# Altium PCB PCB2.PcbDoc (continued)
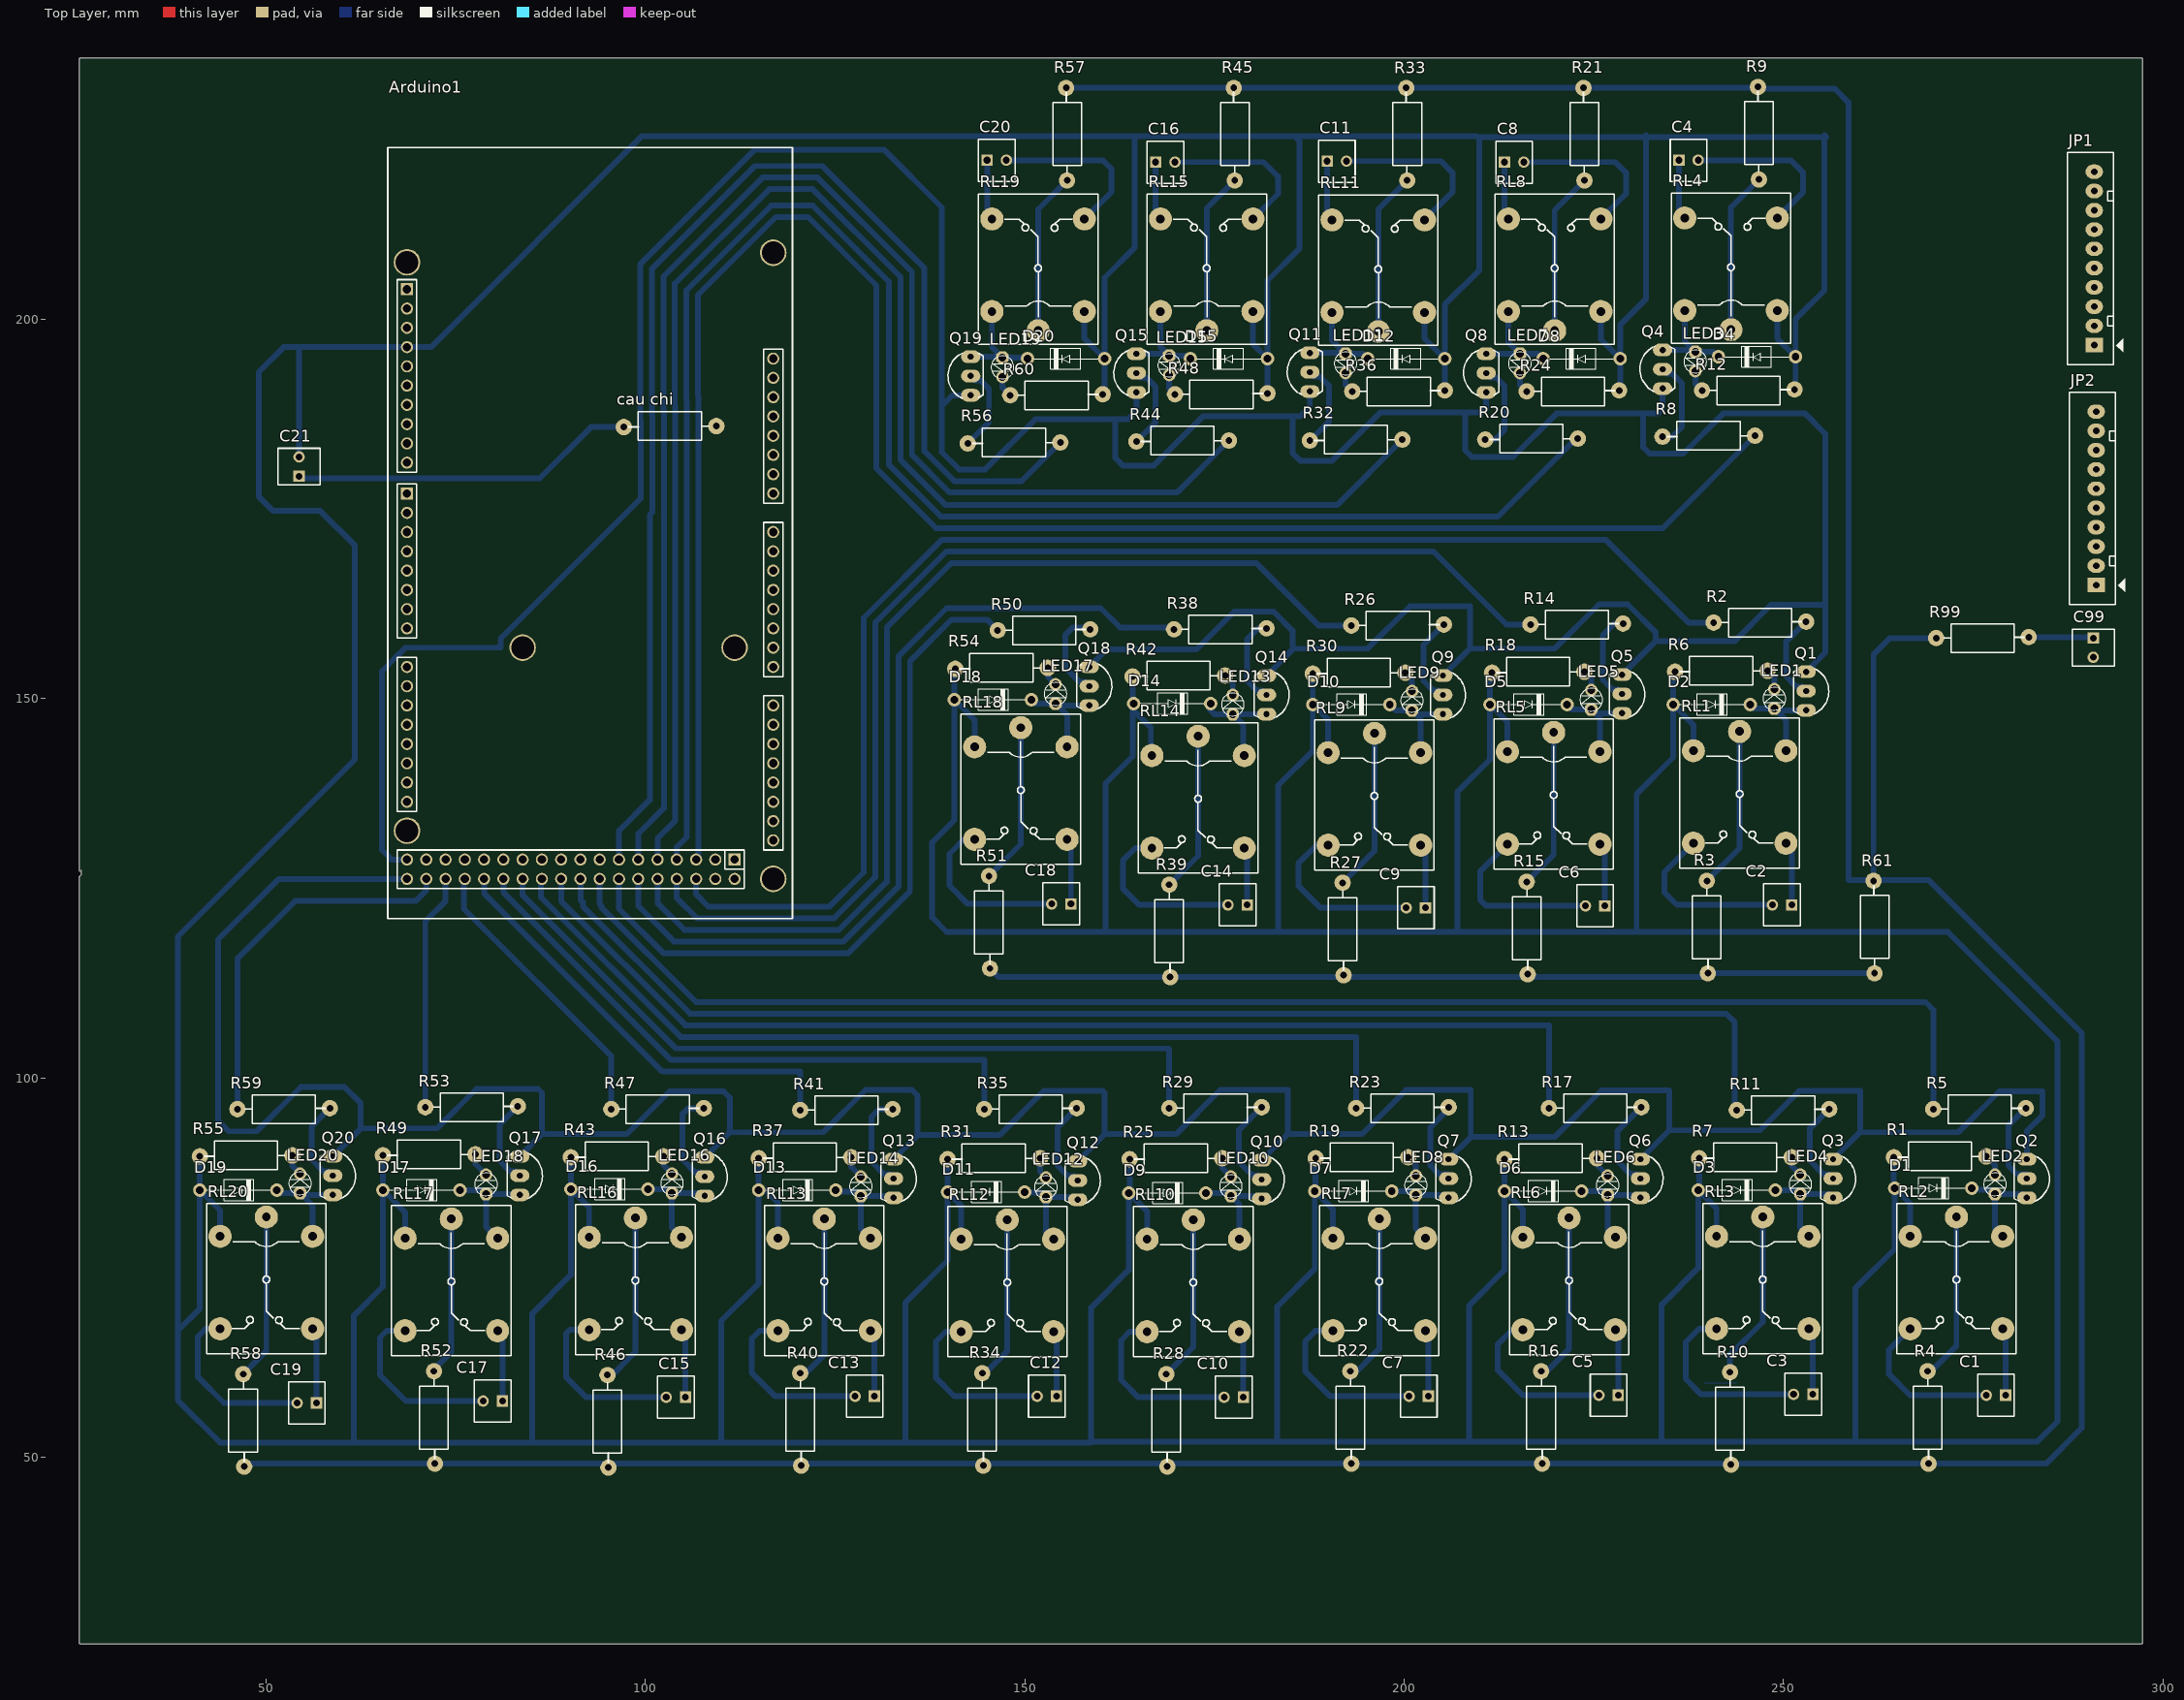
[diagram p0: Top Layer view]
## Footprints (in the part's own frame and the unit in brackets; to place one, negate y for a bottom-side part, rotate by r counter-clockwise, add the part's x,y. Pads: shape width x height; smd on the part's side, far side on the other; paste and mask are expansions set on the pad)
"Arduino MEGA2560" [mm]
  round 1.6 hole 1.1: 0-RX(-13.97,24.765) 1-TX(-11.43,24.765) 2(-8.89,24.765) 3V3(13.97,-23.495) 4(-3.81,24.765) 5V(-46.99,24.765) 5V(-44.45,24.765) 5V(11.43,-23.495) 8(7.874,24.765) 12(18.034,24.765) 13(20.574,24.765) 14(-19.05,24.765) 15(-21.59,24.765) 16(-24.13,24.765) 17(-26.67,24.765) 18(-29.21,24.765) 19(-31.75,24.765) 20(-34.29,24.765) 21(-36.83,24.765) 22(-44.45,22.225) 23(-46.99,22.225) 24(-44.45,19.685) 25(-46.99,19.685) 26(-44.45,17.145) 27(-46.99,17.145) 28(-44.45,14.605) 29(-46.99,14.605) 30(-44.45,12.065) 31(-46.99,12.065) 32(-44.45,9.525) 33(-46.99,9.525) 34(-44.45,6.985) 35(-46.99,6.985) 36(-44.45,4.445) 37(-46.99,4.445) 38(-44.45,1.905) 39(-46.99,1.905) 40(-44.45,-0.635) 41(-46.99,-0.635) 42(-44.45,-3.175) 43(-46.99,-3.175) 44(-44.45,-5.715) 45(-46.99,-5.715) 46(-44.45,-8.255) 47(-46.99,-8.255) 48(-44.45,-10.795) 49(-46.99,-10.795) 50(-44.45,-13.335) 51(-46.99,-13.335) 52(-44.45,-15.875) 53(-46.99,-15.875) A0(-1.27,-23.495) A1(-3.81,-23.495) A2(-6.35,-23.495) A3(-8.89,-23.495) A4(-11.43,-23.495) A5(-13.97,-23.495) A6(-16.51,-23.495) A7(-19.05,-23.495) A8(-24.13,-23.495) A9(-26.67,-23.495) A10(-29.21,-23.495) A11(-31.75,-23.495) A12(-34.29,-23.495) A13(-36.83,-23.495) A14(-39.37,-23.495) A15(-41.91,-23.495) AREF(25.654,24.765) GND(-46.99,-18.415) GND(6.35,-23.495) GND(8.89,-23.495) GND(23.114,24.765) IOREF(19.05,-23.495) RESET(16.51,-23.495) SDA(28.194,24.765) Vin(3.81,-23.495) ~3(-6.35,24.765) ~5(-1.27,24.765) ~6(1.27,24.765) ~9(10.414,24.765) ~10(12.954,24.765) ~11(15.494,24.765) ""(21.59,-23.495)
  rect 1.6x1.6 hole 1.1: 7(3.81,24.765) GND(-44.45,-18.415) SCL(30.734,24.765)
  round 3.5 hole 3: GND(-46.99,-23.495) GND(-40.64,24.765) GND(-16.51,-18.415) GND(-16.51,9.525) GND(34.29,24.765) GND(35.56,-23.495)
  round 0 all layers, no hole: ""(-46.99,-23.495) ""(-40.64,24.765) ""(-16.51,-18.415) ""(-16.51,9.525) ""(34.29,24.765) ""(35.56,-23.495)
  silkscreen extent -52.2,-26.04 49.4,27.31, body extent -52.07,-26.03 55.88,27.31, height 15.2
DIO-1A [mil]
  round 70 hole 40: 1(0,0) 2(400,0)
  silkscreen extent 35,-55 365,55, body extent -11,-50 411,54, height 102
HDR2 [mm] "Connector; Header; 2 Position"
  rect 1.5x1.5 hole 0.9: 1(0,0)
  round 1.5 hole 0.9: 2(2.54,0)
  silkscreen extent -1.14,-2.79 3.68,2.77, body extent -1.27,-2.92 3.81,2.88, height 11.72
Header10 [mil] "CON10"
  rect 75x90 hole 34: 1(0,0)
  oval 75x90 hole 34: 2(100,0) 3(200,0) 4(300,0) 5(400,0) 6(500,0) 7(600,0) 8(700,0) 9(800,0) 10(900,0)
  silkscreen extent -100,-150 1000,140
LED-3MM-YELLOW [mil]
  oct 65x65 hole 40: 1(0,0)
  round 65 hole 40: 2(100,0)
  silkscreen extent -9,-59 109,59, body extent -27,-77 117,80, height 181
"RELAY 5" [mil] "Reley DPDT, 8 pin, 1A, W400mil, L800mil,H 300mil"
  round 120 hole 45: 1(-325,0) 2(255,240) 3(255,-240) 4(-225,-240) 5(-225,240)
  silkscreen extent -395,-310 385,310, body extent -371,-304 381,306, height 602
RES-1/2W [mil]
  round 85 hole 35: 1(-220,-5) 2(260,0)
  silkscreen extent -195,-74 221,75, body extent -230,-60 270,56, height 121
TO92-123 [mil] "TO-92"
  oval 66x100 hole 32: 1(-100,0) 2(0,0) 3(100,0)
  silkscreen extent -117,-65 120,118, body extent -109,-66 109,95, height 245

## Part data
Arduino1: "Arduino MEGA2560", ="Cau 5A"
C1 C2 C3 C4 C5 C6 C7 C8 C9 C10 C11 C12 C13 C14 C15 C16 C17 C18 C19 C20 C21 C99: "Header IDC, 2 x 1 Pin Vertical 2.54mm Pitch (Non-Boxed, Male)", Manufacturer="Würth Elektronik eiSos GmbH", partNo=613002143121, ComponentLink1 Description=Manufacturer, ComponentLink1URL=http://www.we-online.com, ComponentLink2 Description=Datasheet, ComponentLink2URL=http://katalog.we-online.de/em/datasheet/6130xx143121.pdf, Created by="Karrer Zheng", Created Date="29 March 2013", NoPins=02
"cau chi" R1 R2 R5 R6 R7 R8 R11 R12 R13 R14 R17 R18 R19 R20 R23 R24 R25 R26 R29 R30 R31 R32 R35 R36 R37 R38 R41 R42 R43 R44 R47 R48 R49 R50 R53 R54 R55 R56 R59 R60 R61 R99: Manufacturer="Generic Components", Class=Passive, Published=08/06/2000, Publisher="Altium Hobart Technology Centre", SubClass=R
D1 D2 D3 D4 D5 D6 D7 D8 D9 D10 D11 D12 D13 D14 D15 D16 D17 D18 D19 D20: "Default Diode", Code - JEDEC=DO-214-AB, Published=8-Jun-2000, Publisher="Altium Limited", Revision="July-2002: Re-released for DXP Platform."
JP1 JP2: library part Header10, "Connector 10"
LED1 LED2 LED3 LED4 LED5 LED6 LED7 LED8 LED9 LED10 LED11 LED12 LED13 LED14 LED15 LED16 LED17 LED18 LED19 LED20: "LED Single colour Green and Red"
Q1 Q2 Q3 Q4 Q5 Q6 Q7 Q8 Q9 Q10 Q11 Q12 Q13 Q14 Q15 Q16 Q17 Q18 Q19 Q20: "PNP 600mW, ECB", =A1013
R3 R4 R9 R10 R15 R16 R21 R22 R27 R28 R33 R34 R39 R40 R45 R46 R51 R52 R57 R58: library part Res, "Res", Manufacturer="Generic Components", Class=Passive, Published=08/06/2000, Publisher="Altium Hobart Technology Centre", SubClass=R
RL1 RL2 RL3 RL4 RL5 RL6 RL7 RL8 RL9 RL10 RL11 RL12 RL13 RL14 RL15 RL16 RL17 RL18 RL19 RL20: library part "Relay 5", "Relay SPDT,10A - 12VDC 5 Pin", ="Relay SPDT, 10A, 24V"

## Nets (pads, with @x,y where several pads share a name; then routed paths per layer and width w, separated by ;. In a path a pad name is that pad's centre, name@x,y a point inside that pad or via, vN(x,y) a via of type N, cw(c..) or ccw(c..) an arc to the next point about the centre after c; other vN are vias at no path point)
GND: Arduino1.GND C21.2 D1.1 D2.1 D3.1 D4.1 D5.1 D6.1 D7.1 D8.1 D9.1 D10.1 D11.1 D12.1 D13.1 D14.1 D15.1 D16.1 D17.1 D18.1 D19.1 D20.1 R1.1 R6.1 R7.1 R12.1 R13.1 R18.1 R19.1 R24.1 R25.1 R30.1 R31.1 R36.1 R37.1 R42.1 R43.1 R48.1 R49.1 R54.1 R55.1 R60.1 RL1.4 RL2.4 RL3.4 RL4.4 RL5.4 RL6.4 RL7.4 RL8.4 RL9.4 RL10.4 RL11.4 RL12.4 RL13.4 RL14.4 RL15.4 RL16.4 RL17.4 RL18.4 RL19.4 RL20.4 | length 1724.2
  Bottom Layer w0.762: R55.1 D19.1 ; RL20.4 43.942,82.55 D19.1 ; C21.2 54.356,196.215 54.483,196.342 ; R49.1 D17.1 ; RL17.4 68.326,82.296 D17.1 ; R43.1 D16.1 ; RL16.4 92.583,82.931 D16.1 ; R37.1 D13.1 ; Arduino1.GND@116.84,182.118 Arduino1.GND@117.094,182.372 ; RL13.4 117.475,83.566 115.824,85.217 D13.1 ; R31.1 D11.1 ; R54.1@140.843,154.178 140.716,154.051 D18.1 ; RL12.4 141.605,83.185 D11.1 ; RL18.4 143.383,147.193 D18.1 ; RL19.4 157.861,197.485 D20.1 ; R60.1 160.528,190.373 D20.1 ; R25.1 163.83,84.963 D9.1 ; R42.1 D14.1@164.211,148.59 ; RL10.4 166.116,82.423 D9.1 ; RL14.4@166.624,142.494 166.624,146.177 D14.1@164.211,148.59 ; RL15.4 180.086,196.723 D15.1 ; R48.1 D15.1 ; 185.864,223.837 186.182,223.52 186.182,209.296 181.991,205.105 D15.1 ; R30.1 D10.1 ; R19.1 188.341,85.217 D7.1 ; RL9.4 189.992,147.193 D10.1 ; RL7.4 190.627,82.677 D7.1 ; RL11.4 202.692,197.485 D12.1 ; R36.1 D12.1 ; R18.1 211.328,153.162 D5.1 ; R13.1 D6.1 ; RL5.4 213.614,146.939 D5.1 ; RL6.4 215.646,82.677 D6.1 ; RL8.4 225.933,197.358 D8.1 ; R24.1 228.473,190.754 D8.1 ; 231.902,224.282 231.902,224.028 ; R6.1 235.458,153.289 D2.1 ; RL1.4 238.125,146.558 D2.1 ; R7.1 238.887,85.344 D3.1 ; RL3.4 241.173,82.804 D3.1 ; RL4.4 249.174,197.485 D4.1 ; R12.1 251.587,190.881 D4.1 ; R1.1 264.541,85.598 D1.1 ; RL2.4 266.7,83.439 D1.1 ; 38.354,66.675 41.275,69.596 D19.1 ; 38.354,66.675 38.354,118.618 61.722,141.986 61.722,170.18 57.15,174.752 50.927,174.752 49.022,176.657 49.022,193.04 52.324,196.342 54.483,196.342 ; 38.354,66.675 38.354,57.531 43.942,51.943 61.595,51.943 ; 54.483,196.342 68.58,196.342 71.755,196.342 99.568,224.155 164.465,224.155 ; 61.595,51.943 61.595,68.707 65.405,72.517 D17.1 ; 61.595,51.943 85.09,51.943 ; 85.09,51.943 85.09,68.961 90.17,74.041 D16.1 ; 85.09,51.943 109.982,51.943 ; 109.982,51.943 134.239,51.943 ; 109.982,51.943 109.982,67.945 114.935,72.898 D13.1 ; 134.239,51.943 134.239,70.358 139.827,75.946 D11.1 ; 134.239,51.943 158.75,51.943 158.75,52.07 ; D18.1 140.716,133.985 137.795,131.064 137.795,121.158 139.7,119.253 160.655,119.253 ; 158.75,52.07 183.261,52.07 ; 158.75,52.07 158.75,69.723 163.703,74.676 D9.1 ; D20.1 160.528,205.486 164.465,209.423 164.465,224.155 ; 160.655,119.253 160.655,138.811 164.211,142.367 D14.1@164.211,148.59 ; 160.655,119.253 183.388,119.253 ; 164.465,224.155 209.55,224.155 209.931,223.774 ; 183.261,52.07 183.261,69.85 188.214,74.803 D7.1 ; 183.261,52.07 208.534,52.07 ; 183.388,119.253 183.388,138.557 187.96,143.129 D10.1 ; 183.388,119.253 207.01,119.253 ; D12.1 205.359,201.93 209.931,206.502 209.931,223.774 ; 207.01,119.253 207.01,137.668 211.328,141.986 D5.1 ; 207.01,119.253 230.632,119.253 ; 208.534,52.07 233.934,52.07 ; 208.534,52.07 208.534,69.977 213.233,74.676 D6.1 ; 209.931,223.774 209.931,224.028 231.902,224.028 ; D8.1 228.473,199.263 231.902,202.692 231.902,224.028 ; 230.632,119.253 230.632,137.414 235.458,142.24 D2.1 ; 230.632,119.253 271.653,119.253 286.131,104.775 286.131,54.737 283.464,52.07 259.461,52.07 ; 231.902,224.028 255.397,224.028 ; 233.934,52.07 233.934,70.104 238.76,74.93 D3.1 ; 233.934,52.07 259.461,52.07 ; D4.1 251.587,200.025 255.397,203.835 255.397,224.028 ; 255.397,224.028 255.651,224.028 255.397,224.282 255.397,224.028 ; 259.461,52.07 259.461,72.263 264.668,77.47 D1.1
NetArduino1_23: Arduino1.23 R59.2 | length 50
  Bottom Layer w0.762: R59.2 46.228,115.697 53.848,123.317 69.723,123.317 71.12,124.714 Arduino1.23
NetArduino1_25: Arduino1.25 R53.2 | length 31.2
  Bottom Layer w0.762: R53.2 70.993,120.65 73.66,123.317 Arduino1.25
NetArduino1_27: Arduino1.27 R47.2 | length 38.5
  Bottom Layer w0.762: Arduino1.27 76.073,126.111 76.073,122.301 95.504,102.87 R47.2
NetArduino1_29: Arduino1.29 R41.2 | length 58.4
  Bottom Layer w0.762: Arduino1.29 78.74,124.333 102.235,100.838 120.396,100.838 R41.2
NetArduino1_31: Arduino1.31 R35.2 | length 80.8
  Bottom Layer w0.762: Arduino1.31 81.28,124.475 103.393,102.362 144.653,102.362 R35.2
NetArduino1_33: Arduino1.33 R29.2 | length 103.5
  Bottom Layer w0.762: Arduino1.33 83.82,124.09 104.024,103.886 168.91,103.886 169.037,103.759 R29.2
NetArduino1_35: Arduino1.35 R23.2 | length 127.2
  Bottom Layer w0.762: Arduino1.35 86.576,126.238 86.233,125.895 86.233,123.832 104.655,105.41 193.675,105.41 R23.2
NetArduino1_37: Arduino1.37 R17.2 | length 150.8
  Bottom Layer w0.762: Arduino1.37 88.9,123.321 105.287,106.934 219.075,106.934 R17.2
NetArduino1_39: Arduino1.39 R11.2 | length 173.6
  Bottom Layer w0.762: Arduino1.39 91.44,123.444 91.761,123.123 91.761,122.615 105.918,108.458 242.443,108.458 243.586,107.315 243.586,96.012 R11.2
NetArduino1_41: Arduino1.41 R5.2 | length 198.1
  Bottom Layer w0.762: Arduino1.41 93.98,122.936 94.236,122.68 94.236,122.43 106.684,109.982 268.732,109.982 269.748,108.966 R5.2
NetArduino1_42: Arduino1.42 R56.2 | length 172.6
  Bottom Layer w0.762: Arduino1.42 96.52,132.588 100.584,136.652 100.584,174.248 100.901,174.565 100.901,187.353 100.838,187.416 100.838,206.629 114.427,220.218 123.317,220.218 136.779,206.756 136.779,182.63 140.72,178.689 149.606,178.689 R56.2
NetArduino1_44: Arduino1.44 R44.2 | length 192.4
  Bottom Layer w0.762: Arduino1.44 99.06,132.207 102.425,135.572 102.425,187.984 102.362,188.048 102.362,205.613 115.443,218.694 122.686,218.694 135.128,206.252 135.128,182.125 140.088,177.165 170.053,177.165 R44.2
NetArduino1_45: Arduino1.45 R38.2 | length 113.3
  Bottom Layer w0.762: Arduino1.45 99.06,122.682 103.759,117.983 126.115,117.983 133.35,125.218 133.35,155.571 139.704,161.925 160.02,161.925 162.56,159.385 169.418,159.385 R38.2
NetArduino1_46: Arduino1.46 R32.2 | length 212.9
  Bottom Layer w0.762: Arduino1.46 101.6,131.572 103.95,133.921 103.95,188.615 103.886,188.679 103.886,204.724 116.332,217.17 122.047,217.17 133.604,205.613 133.604,181.494 139.584,175.514 191.135,175.514 R32.2
NetArduino1_47: Arduino1.47 R26.2 | length 139.2
  Bottom Layer w0.762: Arduino1.47 101.6,123.063 105.156,119.507 125.483,119.507 131.826,125.85 131.826,159.385 140.335,167.894 180.467,167.894 188.722,159.639 R26.2
NetArduino1_48: Arduino1.48 R20.2 | length 233.1
  Bottom Layer w0.762: Arduino1.48 104.14,130.429 105.474,131.762 105.474,189.247 105.41,189.31 105.41,203.835 116.586,215.011 122.051,215.011 132.08,204.982 132.08,180.863 138.953,173.99 212.344,173.99 222.631,184.277 R20.2
NetArduino1_49: Arduino1.49 R14.2 | length 159.9
  Bottom Layer w0.762: Arduino1.49 104.14,123.698 106.807,121.031 124.852,121.031 130.302,126.481 130.302,160.016 139.704,169.418 203.835,169.418 213.487,159.766 R14.2
NetArduino1_50: Arduino1.50 R8.2 | length 254.3
  Bottom Layer w0.762: Arduino1.50 106.998,129.095 106.998,189.878 106.934,189.941 106.934,203.204 117.217,213.487 121.419,213.487 130.429,204.477 130.429,180.359 138.322,172.466 234.061,172.466 R8.2
NetArduino1_51: Arduino1.51 R2.2 | length 181
  Bottom Layer w0.762: Arduino1.51 106.68,124.206 108.331,122.555 124.221,122.555 128.778,127.112 128.778,160.648 139.072,170.942 226.568,170.942 237.49,160.02 R2.2
NetC1_1: C1.1 RL2.2 | length 8.9
  Bottom Layer w0.762: RL2.2 279.273,66.548 C1.1
NetC1_2: C1.2 RL2.3 | length 21.1
  Bottom Layer w0.762: RL2.3 263.906,64.135 263.906,60.96 266.7,58.166 C1.2
NetC2_1: C2.1 RL1.2 | length 8.4
  Bottom Layer w0.762: RL1.2 251.079,130.175 C2.1
NetC2_2: C2.2 RL1.3 | length 23
  Bottom Layer w0.762: RL1.3 234.315,127.127 234.315,124.46 235.966,122.809 C2.2
NetC3_1: C3.1 RL3.2 | length 8.8
  Bottom Layer w0.762: RL3.2 253.873,66.421 C3.1
NetC3_2: C3.2 RL3.3 | length 24.7
  Bottom Layer w0.762: RL3.3 238.887,66.929 237.109,65.151 237.109,60.325 239.141,58.293 C3.2
NetC4_1: C4.1 RL4.2 | length 7.9
  Bottom Layer w0.762: C4.1 236.22,214.122 RL4.2
NetC4_2: C4.2 RL4.3 | length 21.9
  Bottom Layer w0.762: C4.2 250.952,220.98 252.603,219.329 252.603,216.789 RL4.3
NetC5_1: C5.1 RL6.2 | length 8.8
  Bottom Layer w0.762: RL6.2 228.219,66.421 C5.1
NetC5_2: C5.2 RL6.3 | length 22.2
  Bottom Layer w0.762: RL6.3 214.249,66.802 212.344,64.897 212.344,61.468 215.646,58.166 C5.2
NetC6_1: C6.1 RL5.2 | length 8.4
  Bottom Layer w0.762: RL5.2 226.441,130.175 C6.1
NetC6_2: C6.2 RL5.3 | length 23
  Bottom Layer w0.762: RL5.3 210.058,127.254 210.058,123.444 210.82,122.682 C6.2
NetC7_1: C7.1 RL7.2 | length 8.8
  Bottom Layer w0.762: RL7.2 203.2,66.294 C7.1
NetC7_2: C7.2 RL7.3 | length 23.3
  Bottom Layer w0.762: RL7.3 188.341,66.675 186.944,65.278 186.944,61.341 190.246,58.039 C7.2
NetC8_1: C8.1 RL8.2 | length 7.7
  Bottom Layer w0.762: C8.1 213.233,213.741 RL8.2
NetC8_2: C8.2 RL8.3 | length 21.5
  Bottom Layer w0.762: C8.2 227.838,220.726 229.235,219.329 229.235,216.535 RL8.3
NetC9_1: C9.1 RL9.2 | length 8.5
  Bottom Layer w0.762: RL9.2 202.819,130.048 C9.1
NetC9_2: C9.2 RL9.3 | length 23.3
  Bottom Layer w0.762: RL9.3 188.468,130.683 186.055,128.27 186.055,125.349 188.976,122.428 C9.2
NetC10_1: C10.1 RL10.2 | length 8.8
  Bottom Layer w0.762: RL10.2 178.816,66.04 C10.1
NetC10_2: C10.2 RL10.3 | length 23.6
  Bottom Layer w0.762: RL10.3 163.83,66.548 162.687,65.405 162.687,60.198 164.973,57.912 C10.2
NetC11_1: C11.1 RL11.2 | length 8
  Bottom Layer w0.762: C11.1 189.865,213.741 RL11.2
NetC11_2: C11.2 RL11.3 | length 22.3
  Bottom Layer w0.762: C11.2 204.851,220.853 206.375,219.329 206.375,216.789 RL11.3
NetC12_1: C12.1 RL12.2 | length 8.7
  Bottom Layer w0.762: RL12.2 154.178,66.167 C12.1
NetC12_2: C12.2 RL12.3 | length 23
  Bottom Layer w0.762: RL12.3 139.573,66.548 138.303,65.278 138.303,60.452 140.716,58.039 C12.2
NetC13_1: C13.1 RL13.2 | length 8.8
  Bottom Layer w0.762: RL13.2 130.175,66.167 C13.1
NetC13_2: C13.2 RL13.3 | length 23.3
  Bottom Layer w0.762: RL13.3 115.062,66.675 114.046,65.659 114.046,61.087 117.094,58.039 C13.2
NetC14_1: C14.1 RL14.2 | length 7.7
  Bottom Layer w0.762: RL14.2@178.816,130.302 RL14.2@178.879,130.238 ; RL14.2 179.324,129.921 C14.1
NetC14_2: C14.2 RL14.3 | length 22.9
  Bottom Layer w0.762: RL14.3 164.592,130.302 162.941,128.651 162.941,124.968 165.1,122.809 C14.2
NetC15_1: C15.1 RL16.2 | length 9.1
  Bottom Layer w0.762: RL16.2 105.283,66.294 C15.1
NetC15_2: C15.2 RL16.3 | length 23.3
  Bottom Layer w0.762: RL16.3 90.043,66.802 89.535,66.294 89.535,60.579 92.202,57.912 C15.2
NetC16_1: C16.1 RL15.2 | length 7.8
  Bottom Layer w0.762: C16.1 167.259,213.868 RL15.2
NetC16_2: C16.2 RL15.3 | length 21.3
  Bottom Layer w0.762: C16.2 181.483,220.726 183.388,218.821 183.388,216.535 RL15.3
NetC17_1: C17.1 RL17.2 | length 9.5
  Bottom Layer w0.762: RL17.2 81.153,66.04 C17.1
NetC17_2: C17.2 RL17.3 | length 23.6
  Bottom Layer w0.762: RL17.3 65.913,66.675 65.024,65.786 65.024,60.833 68.453,57.404 C17.2
NetC18_1: C18.1 RL18.2 | length 8.7
  Bottom Layer w0.762: RL18.2 156.083,130.937 C18.1
NetC18_2: C18.2 RL18.3 | length 22.7
  Bottom Layer w0.762: RL18.3 141.986,131.445 140.081,129.54 140.081,125.349 142.494,122.936 C18.2
NetC19_1: C19.1 RL20.2 | length 10
  Bottom Layer w0.762: RL20.2 56.642,66.421 C19.1
NetC19_2: C19.2 RL20.3 | length 23.2
  Bottom Layer w0.762: RL20.3 42.037,66.929 41.021,65.913 41.021,60.579 44.45,57.15 C19.2
NetC20_1: C20.1 RL19.2 | length 8
  Bottom Layer w0.762: C20.1 145.034,213.868 RL19.2
NetC20_2: C20.2 RL19.3 | length 22.4
  Bottom Layer w0.762: C20.2 160.274,220.98 161.417,219.837 161.417,216.789 RL19.3
NetC21_1: "cau chi.1" C21.1 | length 45.7
  Bottom Layer w0.762: C21.1 54.61,179.07 86.106,179.07 92.837,185.801 97.155,185.801
NetC99_1: C99.1 R99.1 | length 8.6
  Bottom Layer w0.762: R99.1 290.703,158.115 C99.1
NetD1_2: D1.2 LED2.1 Q2.3 RL2.5 | length 13.9
  Bottom Layer w0.762: D1.2 274.828,85.281 277.304,85.281 LED2.1 ; RL2.5 277.876,80.137 LED2.1 ; Q2.3 281.559,84.709 LED2.1
NetD2_2: D2.2 LED1.1 Q1.3 RL1.5 | length 13.5
  Bottom Layer w0.762: D2.2 246.126,148.717 LED1.1 LED1.1@249.047,148.463 ; RL1.5 250.317,147.193 LED1.1@249.047,148.463 ; Q1.3 LED1.1@249.047,148.463
NetD3_2: D3.2 LED4.1 Q3.3 RL3.5 | length 14.1
  Bottom Layer w0.762: D3.2 251.714,85.217 LED4.1 ; RL3.5 252.222,80.264 LED4.1 ; Q3.3 256.032,84.709 LED4.1
NetD4_2: D4.2 LED3.1 Q4.3 RL4.5 | length 13.4
  Bottom Layer w0.762: Q4.3 LED3.1@238.125,195.961 ; RL4.5 236.982,197.104 LED3.1@238.125,195.961 ; D4.2 240.792,195.707 LED3.1 LED3.1@238.125,195.961
NetD5_2: D5.2 LED5.1 Q5.3 RL5.5 | length 13.1
  Bottom Layer w0.762: D5.2 222.123,148.59 LED5.1 LED5.1@225.171,148.082 ; RL5.5 225.806,147.447 LED5.1@225.171,148.082 ; Q5.3 LED5.1@225.171,148.082
NetD6_2: D6.2 LED6.1 Q6.3 RL6.5 | length 14.1
  Bottom Layer w0.762: D6.2 226.314,85.09 LED6.1 ; RL6.5 226.822,80.01 LED6.1 ; Q6.3 230.759,84.582 LED6.1
NetD7_2: D7.2 LED8.1 Q7.3 RL7.5 | length 14.1
  Bottom Layer w0.762: D7.2 201.041,85.09 LED8.1 ; RL7.5 201.549,80.137 LED8.1 ; Q7.3 205.486,84.582 LED8.1
NetD8_2: D8.2 LED7.1 Q8.3 RL8.5 | length 14
  Bottom Layer w0.762: Q8.3 LED7.1 ; RL8.5 213.741,196.977 LED7.1 ; D8.2 217.678,195.453 LED7.1
NetD9_2: D9.2 LED10.1 Q10.3 RL10.5 | length 13.9
  Bottom Layer w0.762: D9.2 176.784,84.836 LED10.1 ; RL10.5 178.308,83.312 LED10.1 ; Q10.3 180.848,84.455 LED10.1
NetD10_2: D10.2 LED9.1 Q9.3 RL9.5 | length 12.9
  Bottom Layer w0.762: D10.2 198.882,148.463 LED9.1 LED9.1@201.549,147.955 ; RL9.5 202.184,147.32 LED9.1@201.549,147.955 ; Q9.3 LED9.1@201.549,147.955
NetD11_2: D11.2 LED12.1 Q12.3 RL12.5 | length 13.5
  Bottom Layer w0.762: D11.2 149.987,84.9 152.209,84.9 LED12.1 ; RL12.5 152.781,79.756 LED12.1 ; Q12.3 156.591,84.328 LED12.1
NetD12_2: D12.2 LED11.1 Q11.3 RL11.5 | length 14
  Bottom Layer w0.762: Q11.3 LED11.1@192.151,195.58 ; RL11.5 190.5,197.231 LED11.1@192.151,195.58 ; D12.2 194.564,195.453 LED11.1 LED11.1@192.151,195.58
NetD13_2: D13.2 LED14.1 Q13.3 RL13.5 | length 14.3
  Bottom Layer w0.762: D13.2 125.095,85.026 127.825,85.026 LED14.1 ; RL13.5 128.397,80.137 LED14.1 ; Q13.3 132.461,84.455 LED14.1
NetD14_2: D14.2 LED13.1 Q14.3 RL14.5 | length 13.8
  Bottom Layer w0.762: D14.2@174.371,148.59 175.006,147.955 LED13.1 ; RL14.5@178.816,142.494 178.816,146.558 LED13.1 ; Q14.3 LED13.1
NetD15_2: D15.2 LED15.1 Q15.3 RL15.5 | length 13.3
  Bottom Layer w0.762: Q15.3 LED15.1@168.783,195.453 ; RL15.5 167.894,196.342 LED15.1@168.783,195.453 ; D15.2 171.45,195.199 LED15.1 LED15.1@168.783,195.453
NetD16_2: D16.2 LED16.1 Q16.3 RL16.5 | length 14.2
  Bottom Layer w0.762: D16.2 102.997,85.344 LED16.1 ; RL16.5 103.505,80.264 LED16.1 ; Q16.3 107.442,84.836 LED16.1
NetD17_2: D17.2 LED18.1 Q17.3 RL17.5 | length 14.6
  Bottom Layer w0.762: D17.2 78.486,85.217 LED18.1 ; RL17.5 78.994,80.391 LED18.1 ; Q17.3 83.312,84.709 LED18.1
NetD18_2: D18.2 LED17.1 Q18.3 RL18.5 | length 13.9
  Bottom Layer w0.762: D18.2 151.384,149.352 LED17.1 LED17.1@154.305,149.098 ; RL18.5 155.575,147.828 LED17.1@154.305,149.098 ; Q18.3 LED17.1@154.305,149.098
NetD19_2: D19.2 LED20.1 Q20.3 RL20.5 | length 13.7
  Bottom Layer w0.762: D19.2 51.816,84.836 LED20.1 LED20.1@54.737,84.582 ; RL20.5 56.134,83.185 LED20.1@54.737,84.582 ; Q20.3 LED20.1@54.737,84.582
NetD20_2: D20.2 LED19.1 Q19.3 RL19.5 | length 14.1
  Bottom Layer w0.762: Q19.3 LED19.1@146.939,195.072 ; RL19.5 145.669,196.342 LED19.1@146.939,195.072 ; D20.2 150.241,194.945 LED19.1 LED19.1@146.939,195.072
NetLED1_2: LED1.2 R6.2 | length 2.8
  Bottom Layer w0.762: R6.2 248.793,152.781 LED1.2
NetLED2_2: LED2.2 R1.2 | length 2.9
  Bottom Layer w0.762: R1.2 277.876,88.519 LED2.2
NetLED3_2: LED3.2 R12.2 | length 2.9
  Bottom Layer w0.762: LED3.2 238.379,191.516 R12.2
NetLED4_2: LED4.2 R7.2 | length 2.8
  Bottom Layer w0.762: R7.2 251.079,88.392 LED4.2
NetLED5_2: LED5.2 R18.2 | length 2.8
  Bottom Layer w0.762: R18.2 224.663,152.654 LED5.2
NetLED6_2: LED6.2 R13.2 | length 2.9
  Bottom Layer w0.762: R13.2 225.425,88.519 LED6.2
NetLED7_2: LED7.2 R24.2 | length 2.8
  Bottom Layer w0.762: LED7.2 215.265,191.389 R24.2
NetLED8_2: LED8.2 R19.2 | length 2.8
  Bottom Layer w0.762: R19.2 201.549,88.519 LED8.2
NetLED9_2: LED9.2 R30.2 | length 2.8
  Bottom Layer w0.762: R30.2 201.041,152.527 LED9.2
NetLED10_2: LED10.2 R25.2 | length 2.9
  Bottom Layer w0.762: R25.2 176.022,88.138 LED10.2
NetLED11_2: LED11.2 R36.2 | length 2.8
  Bottom Layer w0.762: LED11.2 192.278,191.389 R36.2
NetLED12_2: LED12.2 R31.2 | length 2.9
  Bottom Layer w0.762: R31.2 152.019,87.63 LED12.2
NetLED13_2: LED13.2 R42.2 | length 3
  Bottom Layer w0.762: R42.2 177.419,152.019 LED13.2
NetLED14_2: LED14.2 R37.2 | length 3.1
  Bottom Layer w0.762: R37.2 127.127,88.265 LED14.2
NetLED15_2: LED15.2 R48.2 | length 2.9
  Bottom Layer w0.762: LED15.2 169.037,190.881 R48.2
NetLED16_2: LED16.2 R43.2 | length 2.8
  Bottom Layer w0.762: R43.2 102.362,88.519 LED16.2
NetLED17_2: LED17.2 R54.2 | length 2.8
  Bottom Layer w0.762: R54.2@153.035,154.305 R54.2 153.035,152.908 LED17.2
NetLED18_2: LED18.2 R49.2 | length 3.2
  Bottom Layer w0.762: R49.2 77.597,88.646 LED18.2
NetLED19_2: LED19.2 R60.2 | length 2.8
  Bottom Layer w0.762: LED19.2 147.066,191.008 R60.2
NetLED20_2: LED20.2 R55.2 | length 2.8
  Bottom Layer w0.762: R55.2 53.467,88.392 LED20.2
NetQ1_2: Q1.2 R2.1 | length 11.8
  Bottom Layer w0.762: Q1.2 252.425,151.562 251.732,151.562 250.317,152.976 250.317,157.48 R2.1
NetQ2_2: Q2.2 R5.1 | length 12
  Bottom Layer w0.762: R5.1 279.654,93.726 279.654,88.46 280.815,87.3 282.067,87.3 Q2.2
NetQ3_2: Q3.2 R11.1 | length 11.9
  Bottom Layer w0.762: R11.1 253.492,93.345 253.492,89.095 255.288,87.3 255.981,87.3 Q3.2
NetQ4_2: Q4.2 R8.1 | length 12.1
  Bottom Layer w0.762: R8.1 235.331,184.531 236.601,185.801 236.601,191.575 235.313,192.862 234.62,192.862 Q4.2
NetQ5_2: Q5.2 R14.1 | length 12.5
  Bottom Layer w0.762: Q5.2 228.168,151.181 227.475,151.181 226.187,152.468 226.187,158.369 227.711,159.893 R14.1
NetQ6_2: Q6.2 R17.1 | length 12.4
  Bottom Layer w0.762: Q6.2 230.581,87.3 229.888,87.3 228.092,89.095 228.092,92.964 R17.1
NetQ7_2: Q7.2 R23.1 | length 12.1
  Bottom Layer w0.762: Q7.2 205.867,87.3 204.615,87.3 203.454,88.46 203.454,93.472 205.867,95.885 R23.1
NetQ8_2: Q8.2 R20.1 | length 12
  Bottom Layer w0.762: R20.1 211.963,184.15 213.233,185.42 213.233,191.194 212.072,192.354 211.379,192.354 Q8.2
NetQ9_2: Q9.2 R26.1 | length 11.8
  Bottom Layer w0.762: Q9.2 204.546,151.054 203.853,151.054 202.565,152.341 202.565,157.099 R26.1
NetQ10_2: Q10.2 R29.1 | length 12.4
  Bottom Layer w0.762: Q10.2 180.67,87.173 179.977,87.173 178.244,88.905 178.244,93.154 R29.1
NetQ11_2: Q11.2 R32.1 | length 11.5
  Bottom Layer w0.762: R32.1 190.119,186.563 190.119,191.194 188.831,192.481 188.138,192.481 Q11.2
NetQ12_2: Q12.2 R35.1 | length 12.1
  Bottom Layer w0.762: R35.1 154.305,93.472 154.305,88.46 155.72,87.046 156.413,87.046 Q12.2
NetQ13_2: Q13.2 R41.1 | length 13
  Bottom Layer w0.762: R41.1 130.81,95.885 129.794,94.869 129.794,88.968 131.463,87.3 132.156,87.3 Q13.2
NetQ14_2: Q14.2 R38.1 | length 11.9
  Bottom Layer w0.762: Q14.2 181.305,151.054 180.612,151.054 179.324,152.341 179.324,157.861 180.721,159.258 R38.1
NetQ15_2: Q15.2 R44.1 | length 11.5
  Bottom Layer w0.762: R44.1 167.259,186.436 167.259,191.067 165.971,192.354 165.278,192.354 Q15.2
NetQ16_2: Q16.2 R47.1 | length 13
  Bottom Layer w0.762: R47.1 105.664,96.012 104.902,95.25 104.902,89.222 106.571,87.554 107.264,87.554 Q16.2
NetQ17_2: Q17.2 R53.1 | length 11.7
  Bottom Layer w0.762: R53.1 80.772,93.853 80.772,89.095 82.187,87.681 82.88,87.681 Q17.2
NetQ18_2: Q18.2 R50.1 | length 12.2
  Bottom Layer w0.762: Q18.2 157.937,152.197 157.244,152.197 155.321,154.119 155.321,158.369 156.337,159.385 R50.1@158.623,159.385
NetQ19_2: Q19.2 R56.1 | length 11.5
  Bottom Layer w0.762: R56.1 145.288,186.436 145.288,190.813 144.127,191.973 143.434,191.973 Q19.2
NetQ20_2: Q20.2 R59.1 | length 11.5
  Bottom Layer w0.762: R59.1 56.007,93.599 56.007,89.222 57.549,87.681 58.242,87.681 Q20.2
NetR3_1: R3.1 R4.1 R9.1 R10.1 R15.1 R16.1 R21.1 R22.1 R27.1 R28.1 R33.1 R34.1 R39.1 R40.1 R45.1 R46.1 R51.1 R52.1 R57.1 R58.1 R61.1 R61.2 R99.2 | length 698.2
  Bottom Layer w0.762: R58.1 47.498,49.149 R52.1 144.526,49.149 R22.1 R16.1 R4.1 284.607,49.149 289.306,53.848 289.306,105.918 269.113,126.111 R61.1@261.874,126.111 ; R51.1 146.558,113.284 R39.1 239.522,113.284 R3.1 R61.2 ; R57.1 R45.1 R33.1 R21.1 246.507,230.505 R9.1 246.888,230.378 256.794,230.378 258.572,228.6 258.572,126.111 R61.1@261.874,126.111 ; R61.1 R61.1@261.874,126.111 ; R99.2 264.033,157.988 261.874,155.829 R61.1@261.874,126.111
NetR3_2: R3.2 RL1.1 | length 21.5
  Bottom Layer w0.762: R3.2 244.221,130.302 RL1.1
NetR4_2: R4.2 RL2.1 | length 22.2
  Bottom Layer w0.762: R4.2 269.494,61.341 272.796,64.643 RL2.1
NetR9_2: R9.2 RL4.1 | length 21.3
  Bottom Layer w0.762: RL4.1 243.078,214.757 R9.2
NetR10_2: R10.2 RL3.1 | length 26.8
  Bottom Layer w0: 239.522,59.817 243.84,59.817
  Bottom Layer w0.762: R10.2@242.951,60.96 R10.2 242.951,63.5 247.269,67.818 RL3.1
NetR15_2: R15.2 RL5.1 | length 21.2
  Bottom Layer w0.762: R15.2 219.71,129.413 RL5.1
NetR16_2: R16.2 RL6.1 | length 22.5
  Bottom Layer w0.762: R16.2@218.059,60.579 221.742,64.262 RL6.1
NetR21_2: R21.2 RL8.1 | length 21.4
  Bottom Layer w0.762: RL8.1 219.837,214.376 R21.2
NetR22_2: R22.2 RL7.1 | length 22.5
  Bottom Layer w0.762: R22.2@192.913,60.452 196.723,64.262 RL7.1
NetR27_2: R27.2 RL9.1 | length 21.4
  Bottom Layer w0.762: R27.2 196.088,129.921 RL9.1
NetR28_2: R28.2 RL10.1 | length 21.8
  Bottom Layer w0.762: R28.2 172.212,64.516 RL10.1
NetR33_2: R33.2 RL11.1 | length 21.5
  Bottom Layer w0.762: RL11.1 196.596,214.503 R33.2
NetR34_2: R34.2 RL12.1 | length 21.9
  Bottom Layer w0.762: R34.2@144.399,60.706 147.701,64.008 RL12.1
NetR39_2: R39.2 RL14.1 | length 21.1
  Bottom Layer w0.762: R39.2 172.847,129.286 RL14.1
NetR40_2: R40.2 RL13.1 | length 22
  Bottom Layer w0.762: R40.2@120.65,60.579 123.571,63.5 RL13.1
NetR45_2: R45.2 RL15.1 | length 21.3
  Bottom Layer w0.762: RL15.1 173.99,214.63 R45.2
NetR46_2: R46.2 RL16.1 | length 22.9
  Bottom Layer w0.762: R46.2@94.996,60.198 98.679,63.881 RL16.1
NetR51_2: R51.2 RL18.1 | length 21.3
  Bottom Layer w0.762: R51.2 149.479,130.81 RL18.1
NetR52_2: R52.2 RL17.1 | length 21.6
  Bottom Layer w0.762: R52.2@72.136,60.706 R52.2 72.136,61.595 74.422,63.881 RL17.1
NetR57_2: R57.2 RL19.1 | length 21.4
  Bottom Layer w0.762: RL19.1 151.765,214.503 R57.2
NetR58_2: R58.2 RL20.1 | length 22
  Bottom Layer w0.762: R58.2 50.038,64.008 RL20.1
VCC: "cau chi.2" Arduino1.5V Q1.1 Q2.1 Q3.1 Q4.1 Q5.1 Q6.1 Q7.1 Q8.1 Q9.1 Q10.1 Q11.1 Q12.1 Q13.1 Q14.1 Q15.1 Q16.1 Q17.1 Q18.1 Q19.1 Q20.1 | length 946.5
  Bottom Layer w0.762: Q20.1 62.484,93.345 ; Arduino1.5V@68.58,126.238 51.689,126.238 43.688,118.237 43.688,94.361 45.085,92.964 48.768,92.964 54.61,98.806 60.325,98.806 62.484,96.647 62.484,93.345 ; Arduino1.5V@68.58,128.778 66.548,128.778 65.278,130.048 65.278,153.624 68.372,156.718 80.49,156.718 80.518,156.746 80.927,156.746 80.927,157.916 99.377,176.367 99.377,186.722 99.314,186.785 99.314,207.264 114.427,222.377 131.445,222.377 139.065,214.757 139.065,188.595 ; Q17.1 86.36,92.583 ; Q16.1 111.125,92.837 ; Q13.1 135.89,92.456 ; Q19.1 140.462,189.992 139.065,188.595 ; Q12.1 160.528,92.583 ; Q18.1 160.782,156.464 172.593,156.464 177.609,161.481 182.785,161.481 185.293,158.972 185.293,156.464 ; Q15.1 164.719,187.96 163.576,186.817 161.925,186.817 ; Q10.1 184.658,92.583 ; Q14.1 185.293,156.464 ; Q11.1 187.579,188.468 186.309,187.198 185.293,187.198 ; Q9.1 208.661,156.591 ; Q7.1 208.788,92.202 ; Q8.1 210.82,188.341 210.185,187.706 208.026,187.706 ; Q5.1 233.172,157.607 ; Q6.1 234.95,93.091 ; Q4.1 234.061,188.214 233.426,187.579 231.521,187.579 ; Q1.1 255.524,156.083 255.524,162.369 ; Q3.1 260.096,92.837 ; Q2.1 282.067,92.996 284.162,95.091 284.162,98.234 278.447,98.234 273.05,92.837 260.096,92.837 ; 62.484,93.345 72.517,93.345 77.724,98.552 85.852,98.552 86.36,98.044 86.36,92.583 ; 86.36,92.583 97.536,92.583 103.188,98.234 110.299,98.234 111.125,97.409 111.125,92.837 ; 111.125,92.837 123.444,92.837 129.032,98.425 135.128,98.425 135.89,97.663 135.89,92.456 ; 135.89,92.456 146.685,92.456 152.527,98.298 160.274,98.298 160.528,98.044 160.528,92.583 ; 139.065,188.595 139.065,182.499 141.351,180.213 144.78,180.213 151.384,186.817 161.925,186.817 ; 160.528,92.583 169.926,92.583 175.768,98.425 184.658,98.425 184.658,92.583 ; 161.925,186.817 161.925,181.737 162.941,180.721 167.005,180.721 173.482,187.198 185.293,187.198 ; 184.658,92.583 194.437,92.583 200.279,98.425 208.788,98.425 208.788,92.202 ; 185.293,156.464 185.42,156.591 195.199,156.591 200.787,162.179 208.661,162.179 208.661,156.591 ; 185.293,187.198 185.293,182.372 186.309,181.356 190.5,181.356 196.85,187.706 208.026,187.706 ; 208.026,187.706 208.026,182.753 208.915,181.864 214.376,181.864 220.091,187.579 231.521,187.579 ; 208.661,156.591 219.837,156.591 225.679,162.433 229.457,162.433 233.172,158.718 233.172,157.607 ; 208.788,92.202 219.837,92.202 225.996,98.361 234.886,98.361 234.95,98.298 234.95,93.091 ; 231.521,187.579 231.521,183.134 232.346,182.308 236.791,182.308 242.062,187.579 252.857,187.579 255.524,184.912 255.524,162.369 ; 233.172,157.607 243.586,157.607 248.349,162.369 255.524,162.369 ; 234.95,93.091 246.888,93.091 252.095,98.298 260.096,98.298 260.096,92.837
pads on no net: Arduino1. Arduino1.0-RX Arduino1.1-TX Arduino1.2 Arduino1.3V3 Arduino1.4 Arduino1.7 Arduino1.8 Arduino1.12 Arduino1.13 Arduino1.14 Arduino1.15 Arduino1.16 Arduino1.17 Arduino1.18 Arduino1.19 Arduino1.20 Arduino1.21 Arduino1.22 Arduino1.24 Arduino1.26 Arduino1.28 Arduino1.30 Arduino1.32 Arduino1.34 Arduino1.36 Arduino1.38 Arduino1.40 Arduino1.43 Arduino1.52 Arduino1.53 Arduino1.A0 Arduino1.A1 Arduino1.A2 Arduino1.A3 Arduino1.A4 Arduino1.A5 Arduino1.A6 Arduino1.A7 Arduino1.A8 Arduino1.A9 Arduino1.A10 Arduino1.A11 Arduino1.A12 Arduino1.A13 Arduino1.A14 Arduino1.A15 Arduino1.AREF Arduino1.IOREF Arduino1.RESET Arduino1.SCL Arduino1.SDA Arduino1.Vin Arduino1.~3 Arduino1.~5 Arduino1.~6 Arduino1.~9 Arduino1.~10 Arduino1.~11 C99.2 JP1.1 JP1.2 JP1.3 JP1.4 JP1.5 JP1.6 JP1.7 JP1.8 JP1.9 JP1.10 JP2.1 JP2.2 JP2.3 JP2.4 JP2.5 JP2.6 JP2.7 JP2.8 JP2.9 JP2.10 R50.2
copper on no net: | length 92.8
  Bottom Layer w0.762: 96.52,126.238 96.52,122.301 102.362,116.459 126.746,116.459 134.874,124.587 134.874,154.94 135.255,155.321 140.335,160.401 145.034,160.401 146.431,159.004